# Altium PCB LED fix910 RD 2000278 (4F00223A_7P00493A).PcbDoc (part 1 of 3) (continued)
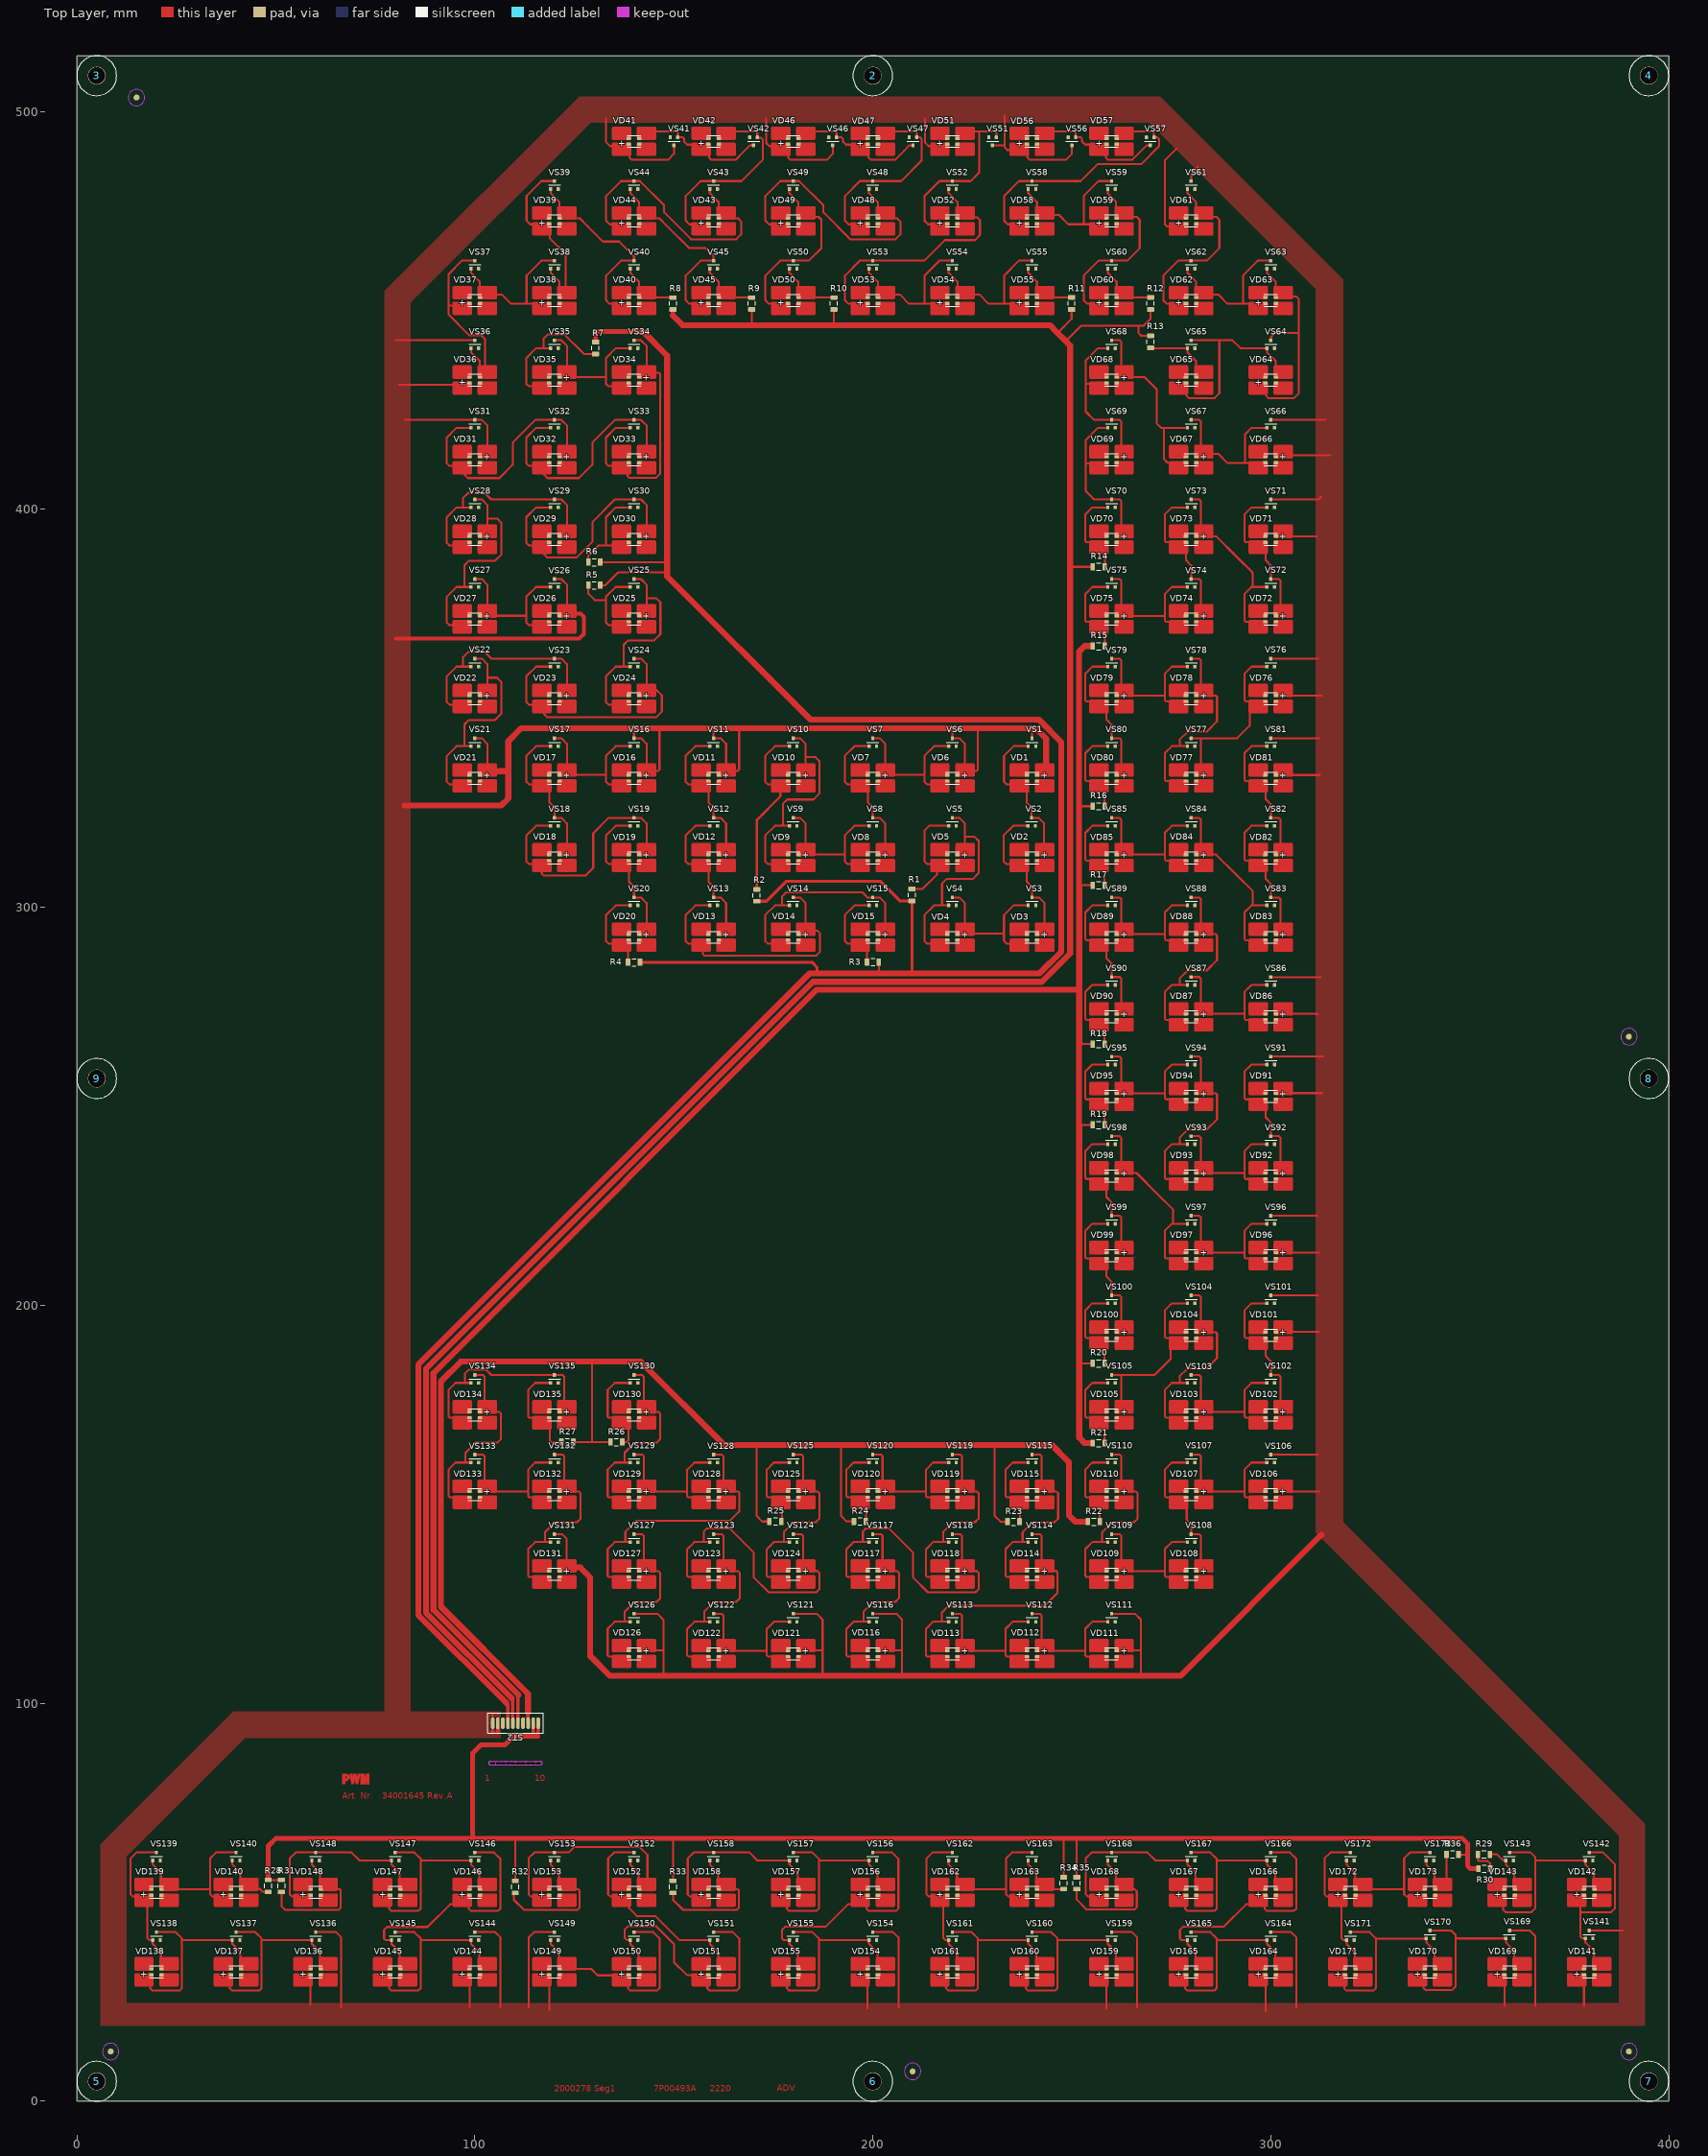
[diagram p0: Top Layer view]
## Components (designator, comment, footprint, x,y, rotation, side; value= is the part's Value field where it differs from the comment) (continued)
VD36 "LED, LS E65F-BBDA-1-Z, Red, OSRAM Opto Semiconductors Inc." E65F 100,432.5 r180 top value="LS E65F-BBDA-1-Z"
VD37 "LED, LS E65F-BBDA-1-Z, Red, OSRAM Opto Semiconductors Inc." E65F 100,452.5 r180 top value="LS E65F-BBDA-1-Z"
VD38 "LED, LS E65F-BBDA-1-Z, Red, OSRAM Opto Semiconductors Inc." E65F 120,452.5 r180 top value="LS E65F-BBDA-1-Z"
VD39 "LED, LS E65F-BBDA-1-Z, Red, OSRAM Opto Semiconductors Inc." E65F 120,472.5 r180 top value="LS E65F-BBDA-1-Z"
VD40 "LED, LS E65F-BBDA-1-Z, Red, OSRAM Opto Semiconductors Inc." E65F 140,452.5 r180 top value="LS E65F-BBDA-1-Z"
VD41 "LED, LS E65F-BBDA-1-Z, Red, OSRAM Opto Semiconductors Inc." E65F 140,492.5 r180 top value="LS E65F-BBDA-1-Z"
VD42 "LED, LS E65F-BBDA-1-Z, Red, OSRAM Opto Semiconductors Inc." E65F 160,492.5 r180 top value="LS E65F-BBDA-1-Z"
VD43 "LED, LS E65F-BBDA-1-Z, Red, OSRAM Opto Semiconductors Inc." E65F 160,472.5 r180 top value="LS E65F-BBDA-1-Z"
VD44 "LED, LS E65F-BBDA-1-Z, Red, OSRAM Opto Semiconductors Inc." E65F 140,472.5 r180 top value="LS E65F-BBDA-1-Z"
VD45 "LED, LS E65F-BBDA-1-Z, Red, OSRAM Opto Semiconductors Inc." E65F 160,452.5 r180 top value="LS E65F-BBDA-1-Z"
VD46 "LED, LS E65F-BBDA-1-Z, Red, OSRAM Opto Semiconductors Inc." E65F 180,492.5 r180 top value="LS E65F-BBDA-1-Z"
VD47 "LED, LS E65F-BBDA-1-Z, Red, OSRAM Opto Semiconductors Inc." E65F 200,492.5 r180 top value="LS E65F-BBDA-1-Z"
VD48 "LED, LS E65F-BBDA-1-Z, Red, OSRAM Opto Semiconductors Inc." E65F 200,472.5 r180 top value="LS E65F-BBDA-1-Z"
VD49 "LED, LS E65F-BBDA-1-Z, Red, OSRAM Opto Semiconductors Inc." E65F 180,472.5 r180 top value="LS E65F-BBDA-1-Z"
VD50 "LED, LS E65F-BBDA-1-Z, Red, OSRAM Opto Semiconductors Inc." E65F 180,452.5 r180 top value="LS E65F-BBDA-1-Z"
VD51 "LED, LS E65F-BBDA-1-Z, Red, OSRAM Opto Semiconductors Inc." E65F 220,492.5 r180 top value="LS E65F-BBDA-1-Z"
VD52 "LED, LS E65F-BBDA-1-Z, Red, OSRAM Opto Semiconductors Inc." E65F 220,472.5 r180 top value="LS E65F-BBDA-1-Z"
VD53 "LED, LS E65F-BBDA-1-Z, Red, OSRAM Opto Semiconductors Inc." E65F 200,452.5 r180 top value="LS E65F-BBDA-1-Z"
VD54 "LED, LS E65F-BBDA-1-Z, Red, OSRAM Opto Semiconductors Inc." E65F 220,452.5 r180 top value="LS E65F-BBDA-1-Z"
VD55 "LED, LS E65F-BBDA-1-Z, Red, OSRAM Opto Semiconductors Inc." E65F 240,452.5 r180 top value="LS E65F-BBDA-1-Z"
VD56 "LED, LS E65F-BBDA-1-Z, Red, OSRAM Opto Semiconductors Inc." E65F 240,492.5 r180 top value="LS E65F-BBDA-1-Z"
VD57 "LED, LS E65F-BBDA-1-Z, Red, OSRAM Opto Semiconductors Inc." E65F 260,492.5 r180 top value="LS E65F-BBDA-1-Z"
VD58 "LED, LS E65F-BBDA-1-Z, Red, OSRAM Opto Semiconductors Inc." E65F 240,472.5 r180 top value="LS E65F-BBDA-1-Z"
VD59 "LED, LS E65F-BBDA-1-Z, Red, OSRAM Opto Semiconductors Inc." E65F 260,472.5 r180 top value="LS E65F-BBDA-1-Z"
VD60 "LED, LS E65F-BBDA-1-Z, Red, OSRAM Opto Semiconductors Inc." E65F 260,452.5 r180 top value="LS E65F-BBDA-1-Z"
VD61 "LED, LS E65F-BBDA-1-Z, Red, OSRAM Opto Semiconductors Inc." E65F 280,472.5 r180 top value="LS E65F-BBDA-1-Z"
VD62 "LED, LS E65F-BBDA-1-Z, Red, OSRAM Opto Semiconductors Inc." E65F 280,452.5 r180 top value="LS E65F-BBDA-1-Z"
VD63 "LED, LS E65F-BBDA-1-Z, Red, OSRAM Opto Semiconductors Inc." E65F 300,452.5 r180 top value="LS E65F-BBDA-1-Z"
VD64 "LED, LS E65F-BBDA-1-Z, Red, OSRAM Opto Semiconductors Inc." E65F 300,432.5 r180 top value="LS E65F-BBDA-1-Z"
VD65 "LED, LS E65F-BBDA-1-Z, Red, OSRAM Opto Semiconductors Inc." E65F 280,432.5 r180 top value="LS E65F-BBDA-1-Z"
VD66 "LED, LS E65F-BBDA-1-Z, Red, OSRAM Opto Semiconductors Inc." E65F 300,412.5 r0 top value="LS E65F-BBDA-1-Z"
VD67 "LED, LS E65F-BBDA-1-Z, Red, OSRAM Opto Semiconductors Inc." E65F 280,412.5 r0 top value="LS E65F-BBDA-1-Z"
VD68 "LED, LS E65F-BBDA-1-Z, Red, OSRAM Opto Semiconductors Inc." E65F 260,432.5 r0 top value="LS E65F-BBDA-1-Z"
VD69 "LED, LS E65F-BBDA-1-Z, Red, OSRAM Opto Semiconductors Inc." E65F 260,412.5 r0 top value="LS E65F-BBDA-1-Z"
VD70 "LED, LS E65F-BBDA-1-Z, Red, OSRAM Opto Semiconductors Inc." E65F 260,392.5 r0 top value="LS E65F-BBDA-1-Z"
VD71 "LED, LS E65F-BBDA-1-Z, Red, OSRAM Opto Semiconductors Inc." E65F 300,392.5 r0 top value="LS E65F-BBDA-1-Z"
VD72 "LED, LS E65F-BBDA-1-Z, Red, OSRAM Opto Semiconductors Inc." E65F 300,372.5 r0 top value="LS E65F-BBDA-1-Z"
VD73 "LED, LS E65F-BBDA-1-Z, Red, OSRAM Opto Semiconductors Inc." E65F 280,392.5 r0 top value="LS E65F-BBDA-1-Z"
VD74 "LED, LS E65F-BBDA-1-Z, Red, OSRAM Opto Semiconductors Inc." E65F 280,372.5 r0 top value="LS E65F-BBDA-1-Z"
VD75 "LED, LS E65F-BBDA-1-Z, Red, OSRAM Opto Semiconductors Inc." E65F 260,372.5 r0 top value="LS E65F-BBDA-1-Z"
VD76 "LED, LS E65F-BBDA-1-Z, Red, OSRAM Opto Semiconductors Inc." E65F 300,352.5 r0 top value="LS E65F-BBDA-1-Z"
VD77 "LED, LS E65F-BBDA-1-Z, Red, OSRAM Opto Semiconductors Inc." E65F 280,332.5 r0 top value="LS E65F-BBDA-1-Z"
VD78 "LED, LS E65F-BBDA-1-Z, Red, OSRAM Opto Semiconductors Inc." E65F 280,352.5 r0 top value="LS E65F-BBDA-1-Z"
VD79 "LED, LS E65F-BBDA-1-Z, Red, OSRAM Opto Semiconductors Inc." E65F 260,352.5 r0 top value="LS E65F-BBDA-1-Z"
VD80 "LED, LS E65F-BBDA-1-Z, Red, OSRAM Opto Semiconductors Inc." E65F 260,332.5 r0 top value="LS E65F-BBDA-1-Z"
VD81 "LED, LS E65F-BBDA-1-Z, Red, OSRAM Opto Semiconductors Inc." E65F 300,332.5 r0 top value="LS E65F-BBDA-1-Z"
VD82 "LED, LS E65F-BBDA-1-Z, Red, OSRAM Opto Semiconductors Inc." E65F 300,312.5 r0 top value="LS E65F-BBDA-1-Z"
VD83 "LED, LS E65F-BBDA-1-Z, Red, OSRAM Opto Semiconductors Inc." E65F 300,292.5 r0 top value="LS E65F-BBDA-1-Z"
VD84 "LED, LS E65F-BBDA-1-Z, Red, OSRAM Opto Semiconductors Inc." E65F 280,312.5 r0 top value="LS E65F-BBDA-1-Z"
VD85 "LED, LS E65F-BBDA-1-Z, Red, OSRAM Opto Semiconductors Inc." E65F 260,312.5 r0 top value="LS E65F-BBDA-1-Z"
VD86 "LED, LS E65F-BBDA-1-Z, Red, OSRAM Opto Semiconductors Inc." E65F 300,272.5 r0 top value="LS E65F-BBDA-1-Z"
VD87 "LED, LS E65F-BBDA-1-Z, Red, OSRAM Opto Semiconductors Inc." E65F 280,272.5 r0 top value="LS E65F-BBDA-1-Z"
VD88 "LED, LS E65F-BBDA-1-Z, Red, OSRAM Opto Semiconductors Inc." E65F 280,292.5 r0 top value="LS E65F-BBDA-1-Z"
VD89 "LED, LS E65F-BBDA-1-Z, Red, OSRAM Opto Semiconductors Inc." E65F 260,292.5 r0 top value="LS E65F-BBDA-1-Z"
VD90 "LED, LS E65F-BBDA-1-Z, Red, OSRAM Opto Semiconductors Inc." E65F 260,272.5 r0 top value="LS E65F-BBDA-1-Z"
VD91 "LED, LS E65F-BBDA-1-Z, Red, OSRAM Opto Semiconductors Inc." E65F 300,252.5 r0 top value="LS E65F-BBDA-1-Z"
VD92 "LED, LS E65F-BBDA-1-Z, Red, OSRAM Opto Semiconductors Inc." E65F 300,232.5 r0 top value="LS E65F-BBDA-1-Z"
VD93 "LED, LS E65F-BBDA-1-Z, Red, OSRAM Opto Semiconductors Inc." E65F 280,232.5 r0 top value="LS E65F-BBDA-1-Z"
VD94 "LED, LS E65F-BBDA-1-Z, Red, OSRAM Opto Semiconductors Inc." E65F 280,252.5 r0 top value="LS E65F-BBDA-1-Z"
VD95 "LED, LS E65F-BBDA-1-Z, Red, OSRAM Opto Semiconductors Inc." E65F 260,252.5 r0 top value="LS E65F-BBDA-1-Z"
VD96 "LED, LS E65F-BBDA-1-Z, Red, OSRAM Opto Semiconductors Inc." E65F 300,212.5 r0 top value="LS E65F-BBDA-1-Z"
VD97 "LED, LS E65F-BBDA-1-Z, Red, OSRAM Opto Semiconductors Inc." E65F 280,212.5 r0 top value="LS E65F-BBDA-1-Z"
VD98 "LED, LS E65F-BBDA-1-Z, Red, OSRAM Opto Semiconductors Inc." E65F 260,232.5 r0 top value="LS E65F-BBDA-1-Z"
VD99 "LED, LS E65F-BBDA-1-Z, Red, OSRAM Opto Semiconductors Inc." E65F 260,212.5 r0 top value="LS E65F-BBDA-1-Z"
VD100 "LED, LS E65F-BBDA-1-Z, Red, OSRAM Opto Semiconductors Inc." E65F 260,192.5 r0 top value="LS E65F-BBDA-1-Z"
VD101 "LED, LS E65F-BBDA-1-Z, Red, OSRAM Opto Semiconductors Inc." E65F 300,192.5 r0 top value="LS E65F-BBDA-1-Z"
VD102 "LED, LS E65F-BBDA-1-Z, Red, OSRAM Opto Semiconductors Inc." E65F 300,172.5 r0 top value="LS E65F-BBDA-1-Z"
VD103 "LED, LS E65F-BBDA-1-Z, Red, OSRAM Opto Semiconductors Inc." E65F 280,172.5 r0 top value="LS E65F-BBDA-1-Z"
VD104 "LED, LS E65F-BBDA-1-Z, Red, OSRAM Opto Semiconductors Inc." E65F 280,192.5 r0 top value="LS E65F-BBDA-1-Z"
VD105 "LED, LS E65F-BBDA-1-Z, Red, OSRAM Opto Semiconductors Inc." E65F 260,172.5 r0 top value="LS E65F-BBDA-1-Z"
VD106 "LED, LS E65F-BBDA-1-Z, Red, OSRAM Opto Semiconductors Inc." E65F 300,152.5 r0 top value="LS E65F-BBDA-1-Z"
VD107 "LED, LS E65F-BBDA-1-Z, Red, OSRAM Opto Semiconductors Inc." E65F 280,152.5 r0 top value="LS E65F-BBDA-1-Z"
VD108 "LED, LS E65F-BBDA-1-Z, Red, OSRAM Opto Semiconductors Inc." E65F 280,132.5 r0 top value="LS E65F-BBDA-1-Z"
VD109 "LED, LS E65F-BBDA-1-Z, Red, OSRAM Opto Semiconductors Inc." E65F 260,132.5 r0 top value="LS E65F-BBDA-1-Z"
VD110 "LED, LS E65F-BBDA-1-Z, Red, OSRAM Opto Semiconductors Inc." E65F 260,152.5 r0 top value="LS E65F-BBDA-1-Z"
VD111 "LED, LS E65F-BBDA-1-Z, Red, OSRAM Opto Semiconductors Inc." E65F 260,112.5 r0 top value="LS E65F-BBDA-1-Z"
VD112 "LED, LS E65F-BBDA-1-Z, Red, OSRAM Opto Semiconductors Inc." E65F 240,112.5 r0 top value="LS E65F-BBDA-1-Z"
VD113 "LED, LS E65F-BBDA-1-Z, Red, OSRAM Opto Semiconductors Inc." E65F 220,112.5 r0 top value="LS E65F-BBDA-1-Z"
VD114 "LED, LS E65F-BBDA-1-Z, Red, OSRAM Opto Semiconductors Inc." E65F 240,132.5 r0 top value="LS E65F-BBDA-1-Z"
VD115 "LED, LS E65F-BBDA-1-Z, Red, OSRAM Opto Semiconductors Inc." E65F 240,152.5 r0 top value="LS E65F-BBDA-1-Z"
VD116 "LED, LS E65F-BBDA-1-Z, Red, OSRAM Opto Semiconductors Inc." E65F 200,112.5 r0 top value="LS E65F-BBDA-1-Z"
VD117 "LED, LS E65F-BBDA-1-Z, Red, OSRAM Opto Semiconductors Inc." E65F 200,132.5 r0 top value="LS E65F-BBDA-1-Z"
VD118 "LED, LS E65F-BBDA-1-Z, Red, OSRAM Opto Semiconductors Inc." E65F 220,132.5 r0 top value="LS E65F-BBDA-1-Z"
VD119 "LED, LS E65F-BBDA-1-Z, Red, OSRAM Opto Semiconductors Inc." E65F 220,152.5 r0 top value="LS E65F-BBDA-1-Z"
VD120 "LED, LS E65F-BBDA-1-Z, Red, OSRAM Opto Semiconductors Inc." E65F 200,152.5 r0 top value="LS E65F-BBDA-1-Z"
VD121 "LED, LS E65F-BBDA-1-Z, Red, OSRAM Opto Semiconductors Inc." E65F 180,112.5 r0 top value="LS E65F-BBDA-1-Z"
VD122 "LED, LS E65F-BBDA-1-Z, Red, OSRAM Opto Semiconductors Inc." E65F 160,112.5 r0 top value="LS E65F-BBDA-1-Z"
VD123 "LED, LS E65F-BBDA-1-Z, Red, OSRAM Opto Semiconductors Inc." E65F 160,132.5 r0 top value="LS E65F-BBDA-1-Z"
VD124 "LED, LS E65F-BBDA-1-Z, Red, OSRAM Opto Semiconductors Inc." E65F 180,132.5 r0 top value="LS E65F-BBDA-1-Z"
VD125 "LED, LS E65F-BBDA-1-Z, Red, OSRAM Opto Semiconductors Inc." E65F 180,152.5 r0 top value="LS E65F-BBDA-1-Z"
VD126 "LED, LS E65F-BBDA-1-Z, Red, OSRAM Opto Semiconductors Inc." E65F 140,112.5 r0 top value="LS E65F-BBDA-1-Z"
VD127 "LED, LS E65F-BBDA-1-Z, Red, OSRAM Opto Semiconductors Inc." E65F 140,132.5 r0 top value="LS E65F-BBDA-1-Z"
VD128 "LED, LS E65F-BBDA-1-Z, Red, OSRAM Opto Semiconductors Inc." E65F 160,152.5 r0 top value="LS E65F-BBDA-1-Z"
VD129 "LED, LS E65F-BBDA-1-Z, Red, OSRAM Opto Semiconductors Inc." E65F 140,152.5 r0 top value="LS E65F-BBDA-1-Z"
VD130 "LED, LS E65F-BBDA-1-Z, Red, OSRAM Opto Semiconductors Inc." E65F 140,172.5 r0 top value="LS E65F-BBDA-1-Z"
VD131 "LED, LS E65F-BBDA-1-Z, Red, OSRAM Opto Semiconductors Inc." E65F 120,132.5 r0 top value="LS E65F-BBDA-1-Z"
VD132 "LED, LS E65F-BBDA-1-Z, Red, OSRAM Opto Semiconductors Inc." E65F 120,152.5 r0 top value="LS E65F-BBDA-1-Z"
VD133 "LED, LS E65F-BBDA-1-Z, Red, OSRAM Opto Semiconductors Inc." E65F 100,152.5 r0 top value="LS E65F-BBDA-1-Z"
VD134 "LED, LS E65F-BBDA-1-Z, Red, OSRAM Opto Semiconductors Inc." E65F 100,172.5 r0 top value="LS E65F-BBDA-1-Z"
VD135 "LED, LS E65F-BBDA-1-Z, Red, OSRAM Opto Semiconductors Inc." E65F 120,172.5 r0 top value="LS E65F-BBDA-1-Z"
VD136 "LED, LS E65F-BBDA-1-Z, Red, OSRAM Opto Semiconductors Inc." E65F 60,32.5 r180 top value="LS E65F-BBDA-1-Z"
VD137 "LED, LS E65F-BBDA-1-Z, Red, OSRAM Opto Semiconductors Inc." E65F 40,32.5 r180 top value="LS E65F-BBDA-1-Z"
VD138 "LED, LS E65F-BBDA-1-Z, Red, OSRAM Opto Semiconductors Inc." E65F 20,32.5 r180 top value="LS E65F-BBDA-1-Z"
VD139 "LED, LS E65F-BBDA-1-Z, Red, OSRAM Opto Semiconductors Inc." E65F 20,52.5 r180 top value="LS E65F-BBDA-1-Z"
VD140 "LED, LS E65F-BBDA-1-Z, Red, OSRAM Opto Semiconductors Inc." E65F 40,52.5 r180 top value="LS E65F-BBDA-1-Z"
VD141 "LED, LS E65F-BBDA-1-Z, Red, OSRAM Opto Semiconductors Inc." E65F 380,32.5 r180 top value="LS E65F-BBDA-1-Z"
VD142 "LED, LS E65F-BBDA-1-Z, Red, OSRAM Opto Semiconductors Inc." E65F 380,52.5 r180 top value="LS E65F-BBDA-1-Z"
VD143 "LED, LS E65F-BBDA-1-Z, Red, OSRAM Opto Semiconductors Inc." E65F 360,52.5 r180 top value="LS E65F-BBDA-1-Z"
VD144 "LED, LS E65F-BBDA-1-Z, Red, OSRAM Opto Semiconductors Inc." E65F 100,32.5 r180 top value="LS E65F-BBDA-1-Z"
VD145 "LED, LS E65F-BBDA-1-Z, Red, OSRAM Opto Semiconductors Inc." E65F 80,32.5 r180 top value="LS E65F-BBDA-1-Z"
VD146 "LED, LS E65F-BBDA-1-Z, Red, OSRAM Opto Semiconductors Inc." E65F 100,52.5 r180 top value="LS E65F-BBDA-1-Z"
VD147 "LED, LS E65F-BBDA-1-Z, Red, OSRAM Opto Semiconductors Inc." E65F 80,52.5 r180 top value="LS E65F-BBDA-1-Z"
VD148 "LED, LS E65F-BBDA-1-Z, Red, OSRAM Opto Semiconductors Inc." E65F 60,52.5 r180 top value="LS E65F-BBDA-1-Z"
VD149 "LED, LS E65F-BBDA-1-Z, Red, OSRAM Opto Semiconductors Inc." E65F 120,32.5 r180 top value="LS E65F-BBDA-1-Z"
VD150 "LED, LS E65F-BBDA-1-Z, Red, OSRAM Opto Semiconductors Inc." E65F 140,32.5 r180 top value="LS E65F-BBDA-1-Z"
VD151 "LED, LS E65F-BBDA-1-Z, Red, OSRAM Opto Semiconductors Inc." E65F 160,32.5 r180 top value="LS E65F-BBDA-1-Z"
VD152 "LED, LS E65F-BBDA-1-Z, Red, OSRAM Opto Semiconductors Inc." E65F 140,52.5 r180 top value="LS E65F-BBDA-1-Z"
VD153 "LED, LS E65F-BBDA-1-Z, Red, OSRAM Opto Semiconductors Inc." E65F 120,52.5 r180 top value="LS E65F-BBDA-1-Z"
VD154 "LED, LS E65F-BBDA-1-Z, Red, OSRAM Opto Semiconductors Inc." E65F 200,32.5 r180 top value="LS E65F-BBDA-1-Z"
VD155 "LED, LS E65F-BBDA-1-Z, Red, OSRAM Opto Semiconductors Inc." E65F 180,32.5 r180 top value="LS E65F-BBDA-1-Z"
VD156 "LED, LS E65F-BBDA-1-Z, Red, OSRAM Opto Semiconductors Inc." E65F 200,52.5 r180 top value="LS E65F-BBDA-1-Z"
VD157 "LED, LS E65F-BBDA-1-Z, Red, OSRAM Opto Semiconductors Inc." E65F 180,52.5 r180 top value="LS E65F-BBDA-1-Z"
VD158 "LED, LS E65F-BBDA-1-Z, Red, OSRAM Opto Semiconductors Inc." E65F 160,52.5 r180 top value="LS E65F-BBDA-1-Z"
VD159 "LED, LS E65F-BBDA-1-Z, Red, OSRAM Opto Semiconductors Inc." E65F 260,32.5 r180 top value="LS E65F-BBDA-1-Z"
VD160 "LED, LS E65F-BBDA-1-Z, Red, OSRAM Opto Semiconductors Inc." E65F 240,32.5 r180 top value="LS E65F-BBDA-1-Z"
VD161 "LED, LS E65F-BBDA-1-Z, Red, OSRAM Opto Semiconductors Inc." E65F 220,32.5 r180 top value="LS E65F-BBDA-1-Z"
VD162 "LED, LS E65F-BBDA-1-Z, Red, OSRAM Opto Semiconductors Inc." E65F 220,52.5 r180 top value="LS E65F-BBDA-1-Z"
VD163 "LED, LS E65F-BBDA-1-Z, Red, OSRAM Opto Semiconductors Inc." E65F 240,52.5 r180 top value="LS E65F-BBDA-1-Z"
VD164 "LED, LS E65F-BBDA-1-Z, Red, OSRAM Opto Semiconductors Inc." E65F 300,32.5 r180 top value="LS E65F-BBDA-1-Z"
VD165 "LED, LS E65F-BBDA-1-Z, Red, OSRAM Opto Semiconductors Inc." E65F 280,32.5 r180 top value="LS E65F-BBDA-1-Z"
VD166 "LED, LS E65F-BBDA-1-Z, Red, OSRAM Opto Semiconductors Inc." E65F 300,52.5 r180 top value="LS E65F-BBDA-1-Z"
VD167 "LED, LS E65F-BBDA-1-Z, Red, OSRAM Opto Semiconductors Inc." E65F 280,52.5 r180 top value="LS E65F-BBDA-1-Z"
VD168 "LED, LS E65F-BBDA-1-Z, Red, OSRAM Opto Semiconductors Inc." E65F 260,52.5 r180 top value="LS E65F-BBDA-1-Z"
VD169 "LED, LS E65F-BBDA-1-Z, Red, OSRAM Opto Semiconductors Inc." E65F 360,32.5 r180 top value="LS E65F-BBDA-1-Z"
VD170 "LED, LS E65F-BBDA-1-Z, Red, OSRAM Opto Semiconductors Inc." E65F 340,32.5 r180 top value="LS E65F-BBDA-1-Z"
VD171 "LED, LS E65F-BBDA-1-Z, Red, OSRAM Opto Semiconductors Inc." E65F 320,32.5 r180 top value="LS E65F-BBDA-1-Z"
VD172 "LED, LS E65F-BBDA-1-Z, Red, OSRAM Opto Semiconductors Inc." E65F 320,52.5 r180 top value="LS E65F-BBDA-1-Z"
VD173 "LED, LS E65F-BBDA-1-Z, Red, OSRAM Opto Semiconductors Inc." E65F 340,52.5 r180 top value="LS E65F-BBDA-1-Z"
VS1 "BZX84" SOT23 240,341.5 r90 top
VS2 "BZX84" SOT23 239.9,321.5 r90 top
VS3 "BZX84" SOT23 240,301.5 r90 top
VS4 "BZX84" SOT23 220,301.5 r90 top
VS5 "BZX84" SOT23 220,321.5 r90 top
VS6 "BZX84" SOT23 220,341.5 r90 top
VS7 "BZX84" SOT23 200,341.5 r90 top
VS8 "BZX84" SOT23 200,321.5 r90 top
VS9 "BZX84" SOT23 180,321.5 r90 top
VS10 "BZX84" SOT23 180,341.5 r90 top
VS11 "BZX84" SOT23 160,341.5 r90 top
VS12 "BZX84" SOT23 160,321.5 r90 top
VS13 "BZX84" SOT23 160,301.5 r90 top
VS14 "BZX84" SOT23 180,301.5 r90 top
VS15 "BZX84" SOT23 200,301.5 r90 top
VS16 "BZX84" SOT23 140,341.5 r90 top
VS17 "BZX84" SOT23 120,341.5 r90 top
VS18 "BZX84" SOT23 120,321.5 r90 top
VS19 "BZX84" SOT23 140,321.5 r90 top
VS20 "BZX84" SOT23 140,301.5 r90 top
VS21 "BZX84" SOT23 100,341.5 r90 top
VS22 "BZX84" SOT23 100,361.5 r90 top
VS23 "BZX84" SOT23 120,361.5 r90 top
VS24 "BZX84" SOT23 140,361.5 r90 top
VS25 "BZX84" SOT23 140,381.5 r90 top
VS26 "BZX84" SOT23 120,381.5 r90 top
VS27 "BZX84" SOT23 100,381.5 r90 top
VS28 "BZX84" SOT23 100,401.5 r90 top
VS29 "BZX84" SOT23 120,401.5 r90 top
VS30 "BZX84" SOT23 140,401.5 r90 top
VS31 "BZX84" SOT23 100,421.5 r90 top
VS32 "BZX84" SOT23 120,421.5 r90 top
VS33 "BZX84" SOT23 140,421.5 r90 top
VS34 "BZX84" SOT23 140,441.5 r90 top
VS35 "BZX84" SOT23 120,441.5 r90 top
VS36 "BZX84" SOT23 100,441.5 r90 top
VS37 "BZX84" SOT23 100,461.5 r90 top
VS38 "BZX84" SOT23 120,461.5 r90 top
VS39 "BZX84" SOT23 120,481.5 r90 top
VS40 "BZX84" SOT23 140,461.5 r90 top
VS41 "BZX84" SOT23 150.034,492.5 r270 top
VS42 "BZX84" SOT23 170.043,492.5 r270 top
VS43 "BZX84" SOT23 160,481.5 r90 top
VS44 "BZX84" SOT23 140,481.5 r90 top
VS45 "BZX84" SOT23 160,461.5 r90 top
VS46 "BZX84" SOT23 189.928,492.5 r270 top
VS47 "BZX84" SOT23 210.096,492.5 r270 top
VS48 "BZX84" SOT23 200,481.5 r90 top
VS49 "BZX84" SOT23 180,481.5 r90 top
VS50 "BZX84" SOT23 180,461.5 r90 top
VS51 "BZX84" SOT23 230.08,492.5 r270 top
VS52 "BZX84" SOT23 220,481.5 r90 top
VS53 "BZX84" SOT23 200,461.5 r90 top
VS54 "BZX84" SOT23 220,461.5 r90 top
VS55 "BZX84" SOT23 240,461.5 r90 top
VS56 "BZX84" SOT23 250.036,492.5 r270 top
VS57 "BZX84" SOT23 269.715,492.5 r270 top
VS58 "BZX84" SOT23 240,481.5 r90 top
VS59 "BZX84" SOT23 260,481.5 r90 top
VS60 "BZX84" SOT23 260,461.5 r90 top
VS61 "BZX84" SOT23 280,481.5 r90 top
VS62 "BZX84" SOT23 280,461.5 r90 top
VS63 "BZX84" SOT23 300,461.5 r90 top
VS64 "BZX84" SOT23 300,441.5 r90 top
VS65 "BZX84" SOT23 280,441.5 r90 top
VS66 "BZX84" SOT23 300,421.5 r90 top
VS67 "BZX84" SOT23 280,421.5 r90 top
VS68 "BZX84" SOT23 260,441.5 r90 top
VS69 "BZX84" SOT23 260,421.5 r90 top
VS70 "BZX84" SOT23 260,401.5 r90 top
VS71 "BZX84" SOT23 300,401.5 r90 top
VS72 "BZX84" SOT23 300,381.5 r90 top
VS73 "BZX84" SOT23 280,401.5 r90 top
VS74 "BZX84" SOT23 280,381.5 r90 top
VS75 "BZX84" SOT23 260,381.5 r90 top
VS76 "BZX84" SOT23 300,361.5 r90 top
VS77 "BZX84" SOT23 280,341.5 r90 top
VS78 "BZX84" SOT23 280,361.5 r90 top
VS79 "BZX84" SOT23 260,361.5 r90 top
VS80 "BZX84" SOT23 260,341.5 r90 top
VS81 "BZX84" SOT23 300,341.5 r90 top
VS82 "BZX84" SOT23 300,321.5 r90 top
VS83 "BZX84" SOT23 300,301.5 r90 top
VS84 "BZX84" SOT23 280,321.5 r90 top
VS85 "BZX84" SOT23 260,321.5 r90 top
VS86 "BZX84" SOT23 300,281.5 r90 top
VS87 "BZX84" SOT23 280,281.5 r90 top
VS88 "BZX84" SOT23 280,301.5 r90 top
VS89 "BZX84" SOT23 260,301.5 r90 top
VS90 "BZX84" SOT23 260,281.5 r90 top
VS91 "BZX84" SOT23 300,261.5 r90 top
VS92 "BZX84" SOT23 300,241.5 r90 top
VS93 "BZX84" SOT23 280,241.5 r90 top
VS94 "BZX84" SOT23 280,261.5 r90 top
VS95 "BZX84" SOT23 260,261.5 r90 top
VS96 "BZX84" SOT23 300,221.5 r90 top
VS97 "BZX84" SOT23 280,221.5 r90 top
VS98 "BZX84" SOT23 260,241.5 r90 top
VS99 "BZX84" SOT23 260,221.5 r90 top
VS100 "BZX84" SOT23 260,201.5 r90 top
VS101 "BZX84" SOT23 300,201.5 r90 top
VS102 "BZX84" SOT23 300,181.5 r90 top
VS103 "BZX84" SOT23 280,181.5 r90 top
VS104 "BZX84" SOT23 280,201.5 r90 top
VS105 "BZX84" SOT23 260,181.5 r90 top
VS106 "BZX84" SOT23 300,161.5 r90 top
VS107 "BZX84" SOT23 280,161.5 r90 top
VS108 "BZX84" SOT23 280,141.5 r90 top
VS109 "BZX84" SOT23 260,141.5 r90 top
VS110 "BZX84" SOT23 260,161.5 r90 top
VS111 "BZX84" SOT23 260,121.5 r90 top
VS112 "BZX84" SOT23 240,121.5 r90 top
VS113 "BZX84" SOT23 220,121.5 r90 top
VS114 "BZX84" SOT23 240,141.5 r90 top
VS115 "BZX84" SOT23 240,161.5 r90 top
VS116 "BZX84" SOT23 200,121.5 r90 top
VS117 "BZX84" SOT23 200,141.5 r90 top
VS118 "BZX84" SOT23 220,141.5 r90 top
VS119 "BZX84" SOT23 220,161.5 r90 top
VS120 "BZX84" SOT23 200,161.5 r90 top
VS121 "BZX84" SOT23 180,121.5 r90 top
VS122 "BZX84" SOT23 160,121.5 r90 top
VS123 "BZX84" SOT23 160,141.5 r90 top
VS124 "BZX84" SOT23 180,141.5 r90 top
VS125 "BZX84" SOT23 180,161.5 r90 top
VS126 "BZX84" SOT23 140,121.5 r90 top
VS127 "BZX84" SOT23 140,141.5 r90 top
VS128 "BZX84" SOT23 160,161.5 r90 top
VS129 "BZX84" SOT23 140,161.5 r90 top
VS130 "BZX84" SOT23 140,181.5 r90 top
VS131 "BZX84" SOT23 120,141.5 r90 top
VS132 "BZX84" SOT23 120,161.5 r90 top
VS133 "BZX84" SOT23 100,161.5 r90 top
VS134 "BZX84" SOT23 100,181.5 r90 top
VS135 "BZX84" SOT23 120,181.5 r90 top
VS136 "BZX84" SOT23 60,41.5 r90 top
VS137 "BZX84" SOT23 40,41.5 r90 top
VS138 "BZX84" SOT23 20,41.5 r90 top
VS139 "BZX84" SOT23 20,61.5 r90 top
VS140 "BZX84" SOT23 40,61.5 r90 top
VS141 "BZX84" SOT23 380,41.908 r90 top
VS142 "BZX84" SOT23 380,61.5 r90 top
VS143 "BZX84" SOT23 360,61.5 r90 top
VS144 "BZX84" SOT23 100,41.5 r90 top
VS145 "BZX84" SOT23 80,41.5 r90 top
VS146 "BZX84" SOT23 100,61.5 r90 top
VS147 "BZX84" SOT23 80,61.5 r90 top
VS148 "BZX84" SOT23 60,61.5 r90 top
VS149 "BZX84" SOT23 120,41.5 r90 top
VS150 "BZX84" SOT23 140,41.5 r90 top
VS151 "BZX84" SOT23 160,41.5 r90 top
VS152 "BZX84" SOT23 140,61.5 r90 top
VS153 "BZX84" SOT23 120,61.5 r90 top
VS154 "BZX84" SOT23 200,41.5 r90 top
VS155 "BZX84" SOT23 180,41.5 r90 top
VS156 "BZX84" SOT23 200,61.5 r90 top
VS157 "BZX84" SOT23 180,61.5 r90 top
VS158 "BZX84" SOT23 160,61.5 r90 top
VS159 "BZX84" SOT23 260,41.5 r90 top
VS160 "BZX84" SOT23 240,41.5 r90 top
VS161 "BZX84" SOT23 220,41.5 r90 top
VS162 "BZX84" SOT23 220,61.5 r90 top
VS163 "BZX84" SOT23 240,61.5 r90 top
VS164 "BZX84" SOT23 300,41.5 r90 top
VS165 "BZX84" SOT23 280,41.5 r90 top
VS166 "BZX84" SOT23 300,61.5 r90 top
VS167 "BZX84" SOT23 280,61.5 r90 top
VS168 "BZX84" SOT23 260,61.5 r90 top
VS169 "BZX84" SOT23 360,41.908 r90 top
VS170 "BZX84" SOT23 340,41.908 r90 top
VS171 "BZX84" SOT23 320,41.5 r90 top
VS172 "BZX84" SOT23 320,61.5 r90 top
VS173 "BZX84" SOT23 340,61.5 r90 top

## Footprints (in the part's own frame and the unit in brackets; to place one, negate y for a bottom-side part, rotate by r counter-clockwise, add the part's x,y. Pads: shape width x height; smd on the part's side, far side on the other; paste and mask are expansions set on the pad)
BAND10_M [mm]
  oval 0.91x2.95 smd: 1(0,0) 2(-1.27,0) 3(-2.54,0) 4(-3.81,0) 5(-5.08,0) 6(-6.35,0) 7(-7.62,0) 8(-8.89,0) 9(-10.16,0) 10(-11.43,0)
  round 1.2 hole 1.2 unplated: 11(-11.43,10) 12(-10.16,10) 13(-8.89,10) 14(-7.62,10) 15(-6.35,10) 16(-5.08,10) 17(-3.81,10) 18(-2.54,10) 19(-1.27,10) 20(0,10)
  Keep-Out Layer lines w0.1: 0.635,10.4 cw(c0.635,10) 0.635,9.6 -12.065,9.6 cw(c-12.065,10) -12.065,10.4 0.635,10.4
  silkscreen extent -12.7,-2.54 1.27,2.54
DRILL4.3 [mm]
  round 4.5 hole 4.3 unplated: 1(0,0)
  silkscreen extent -5,-5 5,5, body extent -4,-4 4,4
E65F [mm]
  rrect10% 1.1x0.8 smd paste-0.5 mask-0.7: 1(-1.3,-0.75) 2(1.3,0.75) 3(-1.3,0.75) 4(1.3,-0.75)
  Top Layer region: -5.35,-3.65 -0.95,-3.65 -0.75,-3.45 -0.75,-0.55 -0.95,-0.35 -5.35,-0.35 -5.35,-0.35 -5.55,-0.55 -5.55,-0.55 -5.55,-3.45
  Top Layer region: 0.95,-3.65 5.35,-3.65 5.55,-3.45 5.55,-0.55 5.35,-0.35 0.95,-0.35 0.95,-0.35 0.75,-0.55 0.75,-0.55 0.75,-3.45
  Top Layer region: 0.95,0.35 5.35,0.35 5.55,0.55 5.55,3.45 5.35,3.65 0.95,3.65 0.95,3.65 0.75,3.45 0.75,3.45 0.75,0.55
  Top Layer region: -5.35,0.35 -0.95,0.35 -0.75,0.55 -0.75,3.45 -0.95,3.65 -5.35,3.65 -5.35,3.65 -5.55,3.45 -5.55,3.45 -5.55,0.55
  silkscreen extent -1.7,-1.5 1.7,1.5, body extent -1.75,-1.4 1.75,1.4, height 3.43
RC1206S [mm]
  rrect20% 1.15x1.8 smd paste-0.025 mask+0.1: 1(-1.5,0) 2(1.5,0)
  silkscreen extent -0.5,-0.9 0.5,0.9, body extent -1.5,-0.8 1.5,0.8, height 0.63
SOT23 [mm]
  rrect25% 0.9x0.8 smd paste-0.025: 1(-1,0.95) 2(-1,-0.95) 3(1,0)
  silkscreen extent 0,-1.5 0,1.5, body extent -1.25,-1.5 1.25,1.5, height 1.09

## Part data
VD1 VD2 VD3 VD4 VD5 VD6 VD7 VD8 VD9 VD10 VD11 VD12 VD13 VD14 VD15 VD16 VD17 VD18 VD19 VD20 VD21 VD22 VD23 VD24 VD25 VD26 VD27 VD28 VD29 VD30 VD31 VD32 VD33 VD34 VD35 VD36 VD37 VD38 VD39 VD40 VD41 VD42 VD43 VD44 VD45 VD46 VD47 VD48 VD49 VD50 VD51 VD52 VD53 VD54 VD55 VD56 VD57 VD58 VD59 VD60 VD61 VD62 VD63 VD64 VD65 VD66 VD67 VD68 VD69 VD70 VD71 VD72 VD73 VD74 VD75 VD76 VD77 VD78 VD79 VD80 VD81 VD82 VD83 VD84 VD85 VD86 VD87 VD88 VD89 VD90 VD91 VD92 VD93 VD94 VD95 VD96 VD97 VD98 VD99 VD100 VD101 VD102 VD103 VD104 VD105 VD106 VD107 VD108 VD109 VD110 VD111 VD112 VD113 VD114 VD115 VD116 VD117 VD118 VD119 VD120 VD121 VD122 VD123 VD124 VD125 VD126 VD127 VD128 VD129 VD130 VD131 VD132 VD133 VD134 VD135 VD136 VD137 VD138 VD139 VD140 VD141 VD142 VD143 VD144 VD145 VD146 VD147 VD148 VD149 VD150 VD151 VD152 VD153 VD154 VD155 VD156 VD157 VD158 VD159 VD160 VD161 VD162 VD163 VD164 VD165 VD166 VD167 VD168 VD169 VD170 VD171 VD172 VD173: library part 4176, Manufacturer="OSRAM Opto Semiconductors Inc.", Manufacturer_PN="LS E65F-BBDA-1-Z", Operating_Temperature=-40°C...+85°C, Package=PLCC-4, Component_Group=Diodes, Component_Type=LED, ComponentLink1Description=Datasheet, ComponentLink1URL=https://media.digikey.com/pdf/Data%20Sheets/Osram%20PDFs/LS_E65F_Rev1.2.pdf, Date_of_Creation="30.10.2018 19:15:38", Date_of_Update="12.11.2018 13:55:11", idComponent=4176, Jofre_PN=HL1032, Marking_Code=-, Mounting_Type=SMD, Notes="price Digi-Key @2.000", Price_EUR=0,15835, Status=Unchecked, Tech_Specification="LED Chip, LS E65F-BBDA-1-Z, Red, 633nm, 3920mcd, 60 deg, 2,15V, 50 mA, -40°C...+85°C, PLCC-4, OSRAM Opto Semiconductors Inc.", User=ke-sta@kd-sta
ST2: ModifyDate="07/10/2006 11:23:08"
VS1 VS2 VS3 VS4 VS5 VS6 VS7 VS8 VS9 VS10 VS11 VS12 VS13 VS14 VS15 VS16 VS17 VS18 VS19 VS20 VS21 VS22 VS23 VS24 VS25 VS26 VS27 VS28 VS29 VS30 VS31 VS32 VS33 VS34 VS35 VS36 VS37 VS38 VS39 VS40 VS41 VS42 VS43 VS44 VS45 VS46 VS47 VS48 VS49 VS50 VS51 VS52 VS53 VS54 VS55 VS56 VS57 VS58 VS59 VS60 VS61 VS62 VS63 VS64 VS65 VS66 VS67 VS68 VS69 VS70 VS71 VS72 VS73 VS74 VS75 VS76 VS77 VS78 VS79 VS80 VS81 VS82 VS83 VS84 VS85 VS86 VS87 VS88 VS89 VS90 VS91 VS92 VS93 VS94 VS95 VS96 VS97 VS98 VS99 VS100 VS101 VS102 VS103 VS104 VS105 VS106 VS107 VS108 VS109 VS110 VS111 VS112 VS113 VS114 VS115 VS116 VS117 VS118 VS119 VS120 VS121 VS122 VS123 VS124 VS125 VS126 VS127 VS128 VS129 VS130 VS131 VS132 VS133 VS134 VS135 VS136 VS137 VS138 VS139 VS140 VS141 VS142 VS143 VS144 VS145 VS146 VS147 VS148 VS149 VS150 VS151 VS152 VS153 VS154 VS155 VS156 VS157 VS158 VS159 VS160 VS161 VS162 VS163 VS164 VS165 VS166 VS167 VS168 VS169 VS170 VS171 VS172 VS173: OriginalName=DIODE

## Free pads (board coordinates)
  round 1.5 smd paste-1 mask+1.3: 2(8.5,12.5) 2(15,503.5) 2(210,7.5) 2(390,12.5) 2(390,267.5)

## Nets (pads, with @x,y where several pads share a name; then routed paths per layer and width w, separated by ;. In a path a pad name is that pad's centre, name@x,y a point inside that pad or via, vN(x,y) a via of type N, cw(c..) or ccw(c..) an arc to the next point about the centre after c; other vN are vias at no path point)
B: R15.2 R16.2 R17.2 R18.2 R19.2 R20.2 R21.2 ST2.6 | length 534.7
  Top Layer w0.5: 251.815,245.375 251.838,245.352 251.875,245.352 R19.2@255.25,245.352 ; 251.815,265.55 251.875,265.61 251.913,265.648 R18.2@255.25,265.648 ; 251.815,305.325 251.875,305.385 252.023,305.532 R17.2@255.25,305.532 ; 251.815,325.275 251.952,325.412 R16.2@255.25,325.412 ; 251.875,185.5 251.941,185.434 R20.2@255.25,185.434
  Top Layer w0.8: ST2.6@110.85,95 110.85,101.925
  Top Layer w1.5: 110.973,102.097 89.625,123.446 89.625,182.95 185.988,279.313 251.815,279.313 251.815,265.55 251.815,245.375 ; 251.815,305.325 251.815,325.275 251.815,364.265 253.217,365.667 R15.2@254.925,365.667 ; 251.875,245.375 251.875,245.352 251.875,185.5 251.875,166.725 253.223,165.377 R21.2@254.975,165.377 ; 251.875,265.61 251.875,305.385
C: R1.2 R2.2 R3.2 R4.2 R5.2 R6.2 R7.2 ST2.4 | length 697
  Top Layer w0.5: R5.2@131.525,380.95 132.825,380.95 136.05,384.175 148.3,384.175 148.325,384.15 ; R6.2@131.525,386.75 148.25,386.75 148.325,386.675 ; R3.2@201.5,286.285 201.5,283.5 201.6,283.4
  Top Layer w0.7: 108.012,99.938 108.31,99.64 ; R4.2@141.5,286.22 184.73,286.22 185.95,285 185.95,283.4
  Top Layer w0.8: ST2.4@108.31,95 108.31,99.64 ; R2.2@170.855,301.52 173.295,301.52 178.325,306.55 201.875,306.55 206.799,301.626 R1.2@209.857,301.626 209.857,283.468 209.925,283.4
  Top Layer w1.1: R7.2@130.35,442.05 130.35,444.05 131,444.7 142.275,444.7
  Top Layer w1.5: 108.012,99.938 85.8,122.15 85.8,185.05 184.15,283.4 185.95,283.4 201.6,283.4 209.925,283.4 241.9,283.4 247.375,288.875 247.375,341.5 241.7,347.175 184.325,347.175 148.325,383.175 148.325,384.15 148.325,386.675 148.325,438.65 142.275,444.7